# Allegro board BeagleBone_Black_RevB3_NO_LOGO.brd (continued)
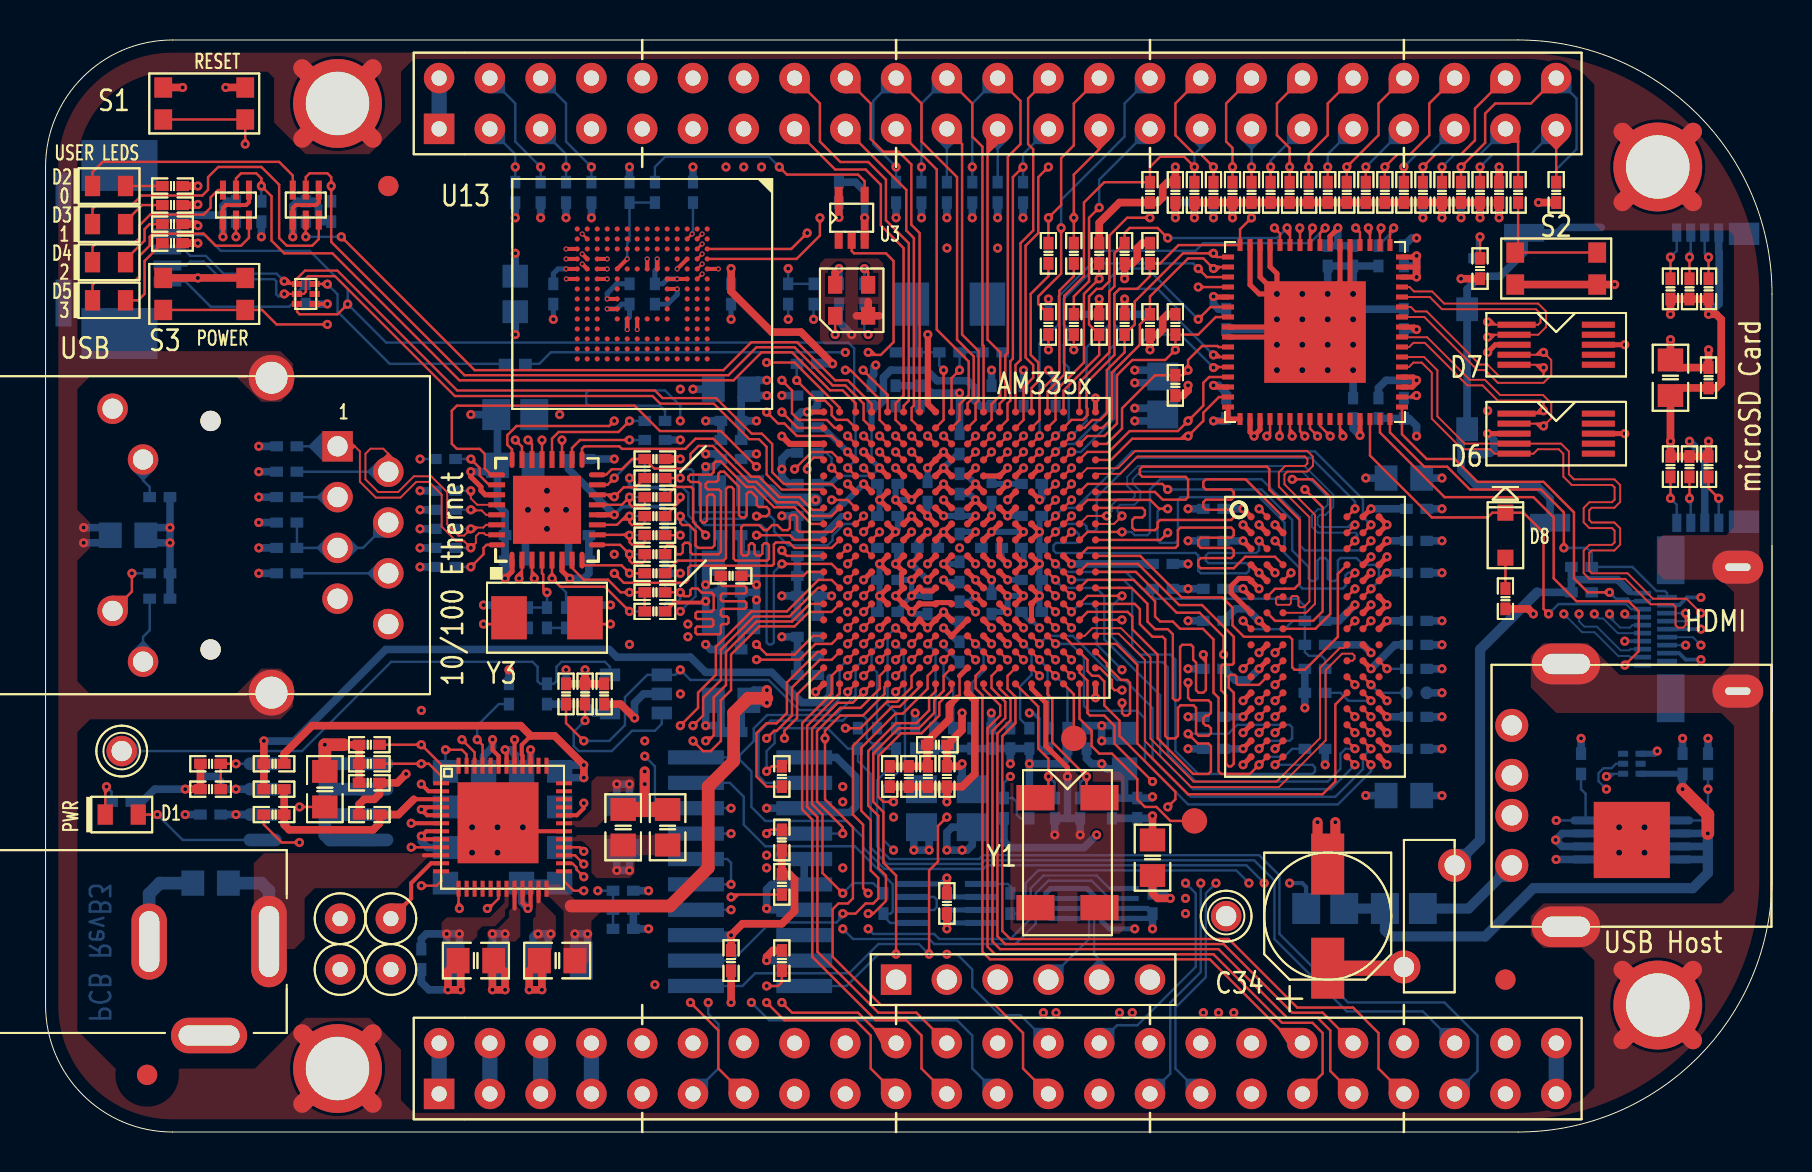
[diagram p0: board, top side]
## Routing (per net, layer and track width the routed paths; a pad name or vN(x,y) marks a point on that pad's centre or on a via; arc(x,y) is an arc through that point) (continued)
DDR_D11: length 20.2
  TOP w0.121: v1(51.32,30.01) U5.K3 ; v1(60.7,29.57) U12.C2
  BOTTOM w0.121: v1(51.32,30.01) 51.56,30.01 51.69,29.88 51.69,29.59 51.56,29.46 50.55,29.46 50.42,29.34 50.42,29.08 50.55,28.96 57.53,28.96 57.66,28.83 57.66,28.07 57.78,27.94 60.07,27.94 60.2,28.07 60.2,28.32 60.07,28.45 58.17,28.45 58.04,28.57 58.04,28.83 58.17,28.96 60.57,28.96 60.7,29.08 v1(60.7,29.57)
DDR_D12: length 20.2
  TOP w0.121: U5.K4 v1(50.52,30.01) ; v1(65.5,31.17) U12.A7
  BOTTOM w0.121: v1(50.52,30.01) 50.92,30.41 51.94,30.41 52.07,30.28 52.07,30.16 52.2,30.04 52.45,30.04 52.58,30.16 52.58,31.75 54.55,33.72 63.31,33.72 65.5,31.53 v1(65.5,31.17)
DDR_D13: length 20.2
  TOP w0.121: v1(51.32,30.81) U5.L3 ; v1(60.7,31.17) U12.A2
  LYR3 w0.133: v1(60.7,31.17) 60.71,31.17 60.71,32 60.17,32.54 53.21,32.54 53.09,32.41 53.09,32 53.21,31.88 55.5,31.88 55.63,31.75 55.63,30.1 55.5,29.97 54.48,29.97 54.36,30.1 54.36,31.11 54.23,31.24 52.07,31.24 51.64,30.81 v1(51.32,30.81)
DDR_D14: length 20.3
  TOP w0.121: v1(66.3,30.37) U12.B8 ; U5.L4 v1(50.52,30.81)
  BOTTOM w0.121: v1(50.52,30.81) 50.92,31.21 51.53,31.21 54.36,34.04 63.5,34.04 65.9,31.64 65.9,30.77 v1(66.3,30.37)
DDR_D15: length 20.1
  TOP w0.121: U5.M1 53.34,31.21 54.86,31.21 54.99,31.08 54.99,30.86 54.86,30.73 54.48,30.73 54.36,30.61 54.36,30.23 54.48,30.1 55.5,30.1 55.63,30.23 55.63,30.48 55.75,30.61 59.31,30.61 59.44,30.73 59.44,30.99 59.31,31.11 58.04,31.11 57.91,31.24 57.91,31.5 58.04,31.62 59.31,31.62 59.44,31.75 59.44,32 59.31,32.13 58.04,32.13 57.91,32.26 57.91,32.51 58.04,32.64 60.03,32.64 U12.A3
DDR_DQM0: length 23.3
  TOP w0.121: v1(56.13,31.17) 55.7,31.17 55.26,31.61 52.12,31.61 U5.M2 ; v1(65.5,27.97) U12.E7
  BOTTOM w0.121: v1(56.13,31.17) 55.75,31.17 55.63,31.04 55.63,29.59 55.75,29.46 56.52,29.46 56.64,29.59 56.64,31.62 56.77,31.75 60.71,31.75 61.98,30.48 61.98,28.96 62.74,28.19 62.74,27.3 62.87,27.18 64.9,27.18 65.02,27.3 65.02,27.84 65.15,27.97 v1(65.5,27.97)
DDR_DQM1: length 20.2
  TOP w0.121: U5.J2 52.12,29.21 56.52,29.21 56.64,29.34 56.64,30.1 56.77,30.23 59.31,30.23 59.44,30.1 59.44,29.84 59.31,29.72 57.78,29.72 57.66,29.59 57.66,29.34 57.78,29.21 59.31,29.21 59.44,29.08 59.44,28.83 59.31,28.7 57.78,28.7 57.66,28.57 57.66,28.32 57.78,28.19 59.44,28.19 60.01,28.76 61.5,28.76 U12.D3
DDR_DQS0: length 23.3
  TOP w0.095: U12.F3 61.62,26.77 61.54,26.69 61.54,26.44 61.62,26.37 62.22,26.37 62.29,26.44 62.29,26.73 62.37,26.8 62.6,26.8 62.67,26.73 62.67,26.32 62.75,26.24 62.93,26.24 63.22,26.53 63.22,30.75 61.69,32.28 61.69,32.99 62.01,33.31 62.99,33.31 63.12,33.43 63.12,33.66 62.99,33.78 54.62,33.78 53.76,32.91 52.62,32.91 U5.P1
DDR_DQS1: length 20.3
  TOP w0.095: v1(53.85,30.81) 53.45,30.41 U5.L1
  TOP w0.121: v1(65.5,29.57) U12.C7
  BOTTOM w0.095: v1(65.5,29.57) 65.54,29.57 65.61,29.64 65.61,29.9 65.54,29.97 63.64,29.97 63.35,30.26 63.35,30.85 63.64,31.14 63.91,31.14 64.14,31.37 64.14,31.75 62.86,33.03 54.76,33.03 54.38,32.65 54.38,32.42 54.76,32.04 54.76,31.66 54.47,31.37 53.75,31.37 53.62,31.24 53.62,31.04 v1(53.85,30.81)
DDR_DQSN0: length 23.3
  TOP w0.095: U5.P2 52.1,33.19 53.64,33.19 54.51,34.06 63.11,34.06 63.4,33.77 63.4,33.32 63.11,33.03 62.12,33.03 61.97,32.87 61.97,32.39 63.5,30.86 63.5,26.42 63.05,25.97 U12.G3
DDR_DQSN1: length 20.3
  TOP w0.095: U5.L2 52.12,30.81 v1(53.09,30.81)
  TOP w0.121: v1(65.5,30.37) U12.B7
  BOTTOM w0.095: v1(53.09,30.81) 53.34,31.06 53.34,31.36 53.63,31.65 54.36,31.65 54.48,31.78 54.48,31.93 54.1,32.31 54.1,32.77 54.64,33.31 62.97,33.31 64.41,31.87 64.41,31.25 64.02,30.86 63.75,30.86 63.63,30.73 63.63,30.38 63.75,30.25 65.39,30.25 v1(65.5,30.37)
DDR_ODT: length 24.1
  TOP w0.121: v1(59.9,23.16) U12.K1 ; U5.G1 53.68,27.21 54.32,27.21 55.12,26.42 55.12,25.53 55.5,25.15 56.13,25.15 56.39,24.89 56.39,21.7 56.49,21.59 56.64,21.59 56.75,21.7 56.75,24.26 56.86,24.37 57.3,24.37 57.4,24.26 57.4,23.62 57.55,23.48 57.55,22.1 57.68,21.97 57.91,21.97 58.04,22.1 58.04,23.75 v1(57.91,23.88)
  LYR3 w0.133: v1(59.9,23.16) 59.23,23.16 58.93,22.86 58.04,22.86 57.91,22.99 57.91,23.24 58.04,23.37 58.29,23.37 58.42,23.5 58.42,24.89 58.17,25.15 57.78,25.15 57.66,25.02 57.66,24.64 57.91,24.38 v1(57.91,23.88)
DDR_RASN: length 24
  TOP w0.121: U5.G4 v1(50.52,26.81) ; v1(61.5,23.96) U12.J3
  LYR3 w0.121: v1(50.52,26.81) 50.12,26.41 50.12,25.83 50.34,25.61 50.72,25.61 50.92,25.41 50.92,25.02 51.17,24.77 51.33,24.77
  LYR3 w0.133: v1(61.5,23.96) 62.12,23.96 62.51,23.58 62.69,23.58 62.84,23.72 62.84,23.9 62.1,24.64 61.59,24.64 61.35,24.4 59.42,24.4 57.77,26.05 56.5,26.05 54.99,27.56 53.47,27.56 53.34,27.43 53.34,26.53 53.47,26.4 54.24,26.4 54.74,25.91 54.74,25.27 54.23,24.77 51.33,24.77
DDR_RESETN: length 20.7
  TOP w0.121: U5.G2 52.12,27.61 54.43,27.61 55.5,26.54 55.5,25.78 55.75,25.53 56.39,25.53 56.75,25.16 57.89,25.16 58.42,24.64 58.42,21.97 58.67,21.72 58.67,18.03 58.8,17.91 60.24,17.91 v1(60.7,18.36) U12.T2
  BOTTOM w0.121: v1(60.7,18.36) U12.T2 61.96,18.76 62.36,19.16 R97.2
DDR_VREF: length 26.3
  TOP w0.121: v1(50.52,28.41) U5.J4 ; v1(66.3,21.56) U12.M8 ; v1(59.9,25.57) U12.H1
  BOTTOM w0.121: R98.2 C123.1 62.99,24 63.18,23.81 63.82,23.81 64.01,23.62 R100.1 C124.1 64.77,21.96 65.17,21.56 v1(66.3,21.56) ; R98.2 62.99,26.29 62.61,26.67 55.5,26.67 55.37,26.8 C28.1 54.88,27.17 54.03,28.01 50.92,28.01 v1(50.52,28.41) ; R98.2 62.4,25.57 61.98,25.15 60.32,25.15 v1(59.9,25.57)
DDR_VTP: length 4.6
  TOP w0.254: v1(51.32,28.41) U5.J3
  BOTTOM w0.381: v1(51.32,28.41) R22.2
DDR_WEN: length 23.9
  TOP w0.121: v1(55.37,17.53) 53.47,19.43 53.47,20.32 52.96,20.83 52.24,20.83 52.12,20.95 52.12,22.57 51.72,22.97 U5.B2 ; v1(61.5,22.36) U12.L3
  LYR3 w0.133: v1(61.5,22.36) 61.87,22.73 62.48,22.73 63.5,21.72 63.5,20.95 63.12,20.57 63.12,17.27 62.23,16.38 56.77,16.38 55.63,17.52 55.38,17.52 v1(55.37,17.53)
DVI_+5V: length 22.2
  BOTTOM w0.203: 79.21,27.05 79.31,26.95 P6.19
  BOTTOM w0.381: 79.21,27.05 78.64,27.62 76.33,27.62 ; 74.61,26.99 R146.1 76.33,27.62 ; 76.33,27.62 R147.1
  BOTTOM w0.508: 74.61,26.99 71.75,24.13 71.75,14.61 RT1.2
EHRPWM1A: length 41.9
  TOP w0.121: v1(40.01,38.1) 40.26,38.1 41.72,36.64 41.72,35.61 U5.U14
  LYR4 w0.133: v1(40.01,38.1) 39.75,37.85 38.73,37.85 37.34,36.45 37.34,35.81 37.12,35.6 36.23,35.6 34.8,34.16 34.8,23.27 34.54,23.02 34.54,17.27 33.55,16.28 33.55,5.82 P9.14
EHRPWM1B: length 37.1
  TOP w0.121: v1(41.72,34.81) U5.T14
  LYR4 w0.133: P9.16 37.47,8.89 35.56,10.79 35.56,18.41 36.49,19.34 36.49,24.35 36.32,24.51 36.32,33.27 36.6,33.55 38,33.55 39.75,35.31 41.22,35.31 v1(41.72,34.81)
EHRPWM2A: length 16.8
  TOP w0.121: U5.U10 45.72,35.61 45.72,36.39 46.18,36.85 46.18,38.53 44.58,40.13 44.58,48.13 P8.19
EHRPWM2B: length 27.5
  TOP w0.121: v1(44.92,34.81) U5.T10
  LYR3 w0.133: P8.13 32,47.24 32,44.32 32.26,44.07 32.26,42.42 32.64,42.04 41.27,42.04 42.8,40.51 42.8,39.37 43.43,38.73 43.43,36.58 44.92,35.09 v1(44.92,34.81)
EMMC_RSTN: length 4.8
  TOP w0.203: U13.K5 v2(29.09,43.66)
  BOTTOM w0.121: R162.2 R111.2 29.21,44.57 29.09,44.45 v2(29.09,43.66)
EMMC_VCCI: length 1.9
  TOP w0.121: U13.C2 v2(32.35,44.91)
  BOTTOM w0.121: v2(32.35,44.91) 32.38,44.95 C125.1
ENZ_KALDO_1P8V: length 3.4
  TOP w0.121: U5.B4 v1(50.52,22.81)
  BOTTOM w0.121: R54.2 51.12,22.21 v1(50.52,22.81)
ETH_TXD4: length 4.4
  TOP w0.121: U14.18 26.33,34.21 26.73,34.61 v1(29.21,34.61)
  BOTTOM w0.121: R145.1 v1(29.21,34.61)
GPIO0_7: length 48
  TOP w0.121: R50.1 36.32,18.29 v1(36.07,18.03)
  BOTTOM w0.121: v1(36.07,18.03) 36.07,19.05 36.47,19.45 36.47,19.96 36.7,20.19 39.12,20.19 40.13,19.18 R51.1 40.64,18.54 41.27,17.91 41.27,14.22 42.09,13.4 46.81,13.4 46.99,13.59 60.45,13.59 61.47,12.57 61.47,9.65 65.09,6.03 68.9,6.03 P9.42
GPIO0_7SRC: length 9.6
  TOP w0.121: U5.C18 38.62,24.01 37.08,22.48 37.08,20.95 36.57,20.44 36.06,20.44 35.56,19.94 35.56,17.78 36.07,17.27 R50.2
GPIO0_26: length 30.4
  TOP w0.121: v1(44.12,34.81) U5.T11
  LYR3 w0.133: P8.14 33.66,51.44 33.66,49.91 32.64,48.9 32.13,48.9 31.62,48.39 31.62,44.2 32,43.81 32,42.16 32.38,41.78 41.02,41.78 42.42,40.39 42.42,39.12 43.05,38.48 43.05,36.45 44.12,35.38 v1(44.12,34.81)
GPIO0_27: length 16.6
  TOP w0.121: U5.U12 43.32,35.61 43.32,36.21 43.43,36.32 43.43,44.7 43.05,45.09 43.05,47.12 P8.17
GPIO1_12: length 29.8
  TOP w0.121: v1(43.32,34.81) U5.T12
  LYR3 w0.133: v1(43.32,34.81) 43.32,35.17 41.66,36.83 41.66,37.82 41.7,37.82 41.94,38.06 41.94,38.52 41.66,38.8 41.66,40.13 40.64,41.15 31.5,41.15 30.99,41.66 30.99,51.31 P8.12
GPIO1_13: length 27.9
  TOP w0.121: v1(43.32,34.01) U5.R12
  LYR3 w0.121: 43.72,35.27 43.72,34.41 v1(43.32,34.01)
  LYR3 w0.133: P8.11 31.27,49.05 31.27,41.89 31.62,41.53 40.77,41.53 42.07,40.23 42.07,38.72 42.17,38.62 42.17,37.96 42.07,37.86 42.07,36.92 43.72,35.27
GPIO1_14: length 20
  TOP w0.121: P8.16 38.73,51.44 38.73,49.53 39.76,48.51 41.15,48.51 42.04,47.62 42.04,45.59 43.18,44.45 43.18,36.58 42.92,36.32 U5.V13
GPIO1_15: length 18.4
  TOP w0.121: U5.U13 42.52,35.61 42.52,36.43 42.92,36.83 42.92,44.2 41.78,45.34 41.78,47.37 41.02,48.13 39.5,48.13 P8.15
GPIO1_16: length 51.3
  LYR4 w0.133: v1(37.15,43.18) 36.2,42.23 36.2,39.75 33.53,37.08 33.53,24.26 31.88,22.61 31.62,22.61 31.24,22.23 31.24,19.68 31.75,19.18 31.75,7.37 31.24,6.86 31.24,4.06 32.26,3.05 36.32,3.05 P9.15
  BOTTOM w0.121: R160.2 R161.2 v1(37.15,43.18)
GPIO1_17: length 53.5
  TOP w0.121: v1(40.89,38.1) 42.12,36.87 U5.V14
  LYR4 w0.133: v1(35.31,6.48) 34.92,6.86 34.92,7.29 34.8,7.41 34.8,22.94 35.05,23.19 35.05,34.04 36.38,35.36 37.27,35.36 37.59,35.69 37.59,36.2 38.99,37.59 40.39,37.59 v1(40.89,38.1)
  BOTTOM w0.121: v1(35.31,6.48) 36.2,5.59 45.59,5.59 46.35,4.83 46.35,3.17 P9.23
GPIO1_28: length 37.4
  TOP w0.121: v1(36.83,36) 37.62,35.21 U5.U18
  LYR4 w0.133: v1(36.83,36) 36.42,36.41 35.14,36.41 34.29,35.56 34.29,23.5 34.04,23.24 34.04,17.78 32.66,16.41 32.66,5.87 32.38,5.59 P9.12
GPIO1_29: length 17.6
  TOP w0.121: U5.V6 48.52,38.36 48.77,38.61 48.77,44.45 49.4,45.09 49.4,49.15 49.15,49.4 49.15,51.69 P8.26
GPIO2_1: length 18.7
  TOP w0.121: P8.18 41.27,51.44 41.27,49.66 41.91,49.02 42.67,49.02 43.31,48.39 43.31,45.37 43.72,44.96 U5.V12
GPIO3_18: length 5.9
  TOP w0.121: U5.B12 43.32,22.81 43.32,22.23 42.6,21.52 42.09,21.52 40.77,20.19 v1(40.01,20.19)
  BOTTOM w0.121: v1(40.01,20.19) R51.2
GPIO3_19: length 28.5
  TOP w0.121: v1(42.52,23.61) U5.C13
  LYR4 w0.133: v1(42.52,23.61) 41.85,22.94 41.85,21.52 43.31,20.07 43.31,14.99 42.93,14.61 42.93,13.84 48.77,8 48.77,3.81 49.53,3.05 51.56,3.05 P9.27
GPIO3_20: length 5.9
  TOP w0.121: U5.D13 v1(42.52,25.21)
  BOTTOM w0.121: R20.2 42.55,20.95 42.12,21.38 42.12,24.81 v1(42.52,25.21)
GPIO3_21: length 66.1
  TOP w0.121: P9.25 48.9,3.17 48.9,4.95 47.5,6.35 41.78,6.35 39.37,8.76 39.37,11.14 39.66,11.43 40.13,11.43 40.39,11.68 40.39,15.24 38.99,16.64 v1(38.99,19.68) 38.99,20.07 39.75,20.83 40.89,20.83 41.97,21.9 41.97,22.26 U5.A14
  LYR3 w0.133: v1(38.99,19.68) 38.28,20.4 35.1,20.4 33.59,21.91 v1(31.76,21.91)
  LYR4 w0.133: v1(31.76,21.91) 33.78,23.93 33.78,36.83 37.08,40.13 38.86,40.13 39.12,40.39 40.64,40.39 v1(41.15,39.88)
  BOTTOM w0.121: v1(41.15,39.88) 40.96,40.07 R167.2
GRN_C: length 2
  BOTTOM w0.121: P5.10 4.88,32.59 5.21,32.26 R132.2
GRNA: length 32.3
  TOP w0.121: v1(24.45,27.69) 24.33,27.8 U14.3
  LYR3 w0.133: v1(24.45,27.69) 23.56,28.57 22.48,28.57 21.59,27.69 20.95,27.69 17.65,24.38 14.73,24.38 12.19,26.92 7.11,26.92 3.35,30.68 P5.9
HDMI_1V8: length 22.4
  TOP w0.254: v1(64.64,45.21) 64.64,45.19 64.25,44.79 U11.55 ; U11.46 v1(68.58,42.76) ; v1(68.58,43.81) 68.52,43.76 U11.48 ; U11.14 58.5,37.25 v1(58.42,37.34) ; v1(65.75,34.83) U11.29 ; v1(58.42,41.78) 58.45,41.76 U11.5 ; U11.47 68.58,43.25 ; v1(68.58,40.13) 68.46,40.25 U11.41 ; U11.36 68.42,37.76 v1(68.58,37.59) 68.58,37.47 68.37,37.25 U11.35
  TOP w0.381: v1(68.58,42.76) v1(68.58,43.81)
  BOTTOM w0.381: C146.1 64.64,44.32 ; 64.64,44.32 C148.1 ; 64.64,44.32 v1(64.64,45.21) ; v1(58.42,37.34) 58.67,37.34 59.05,36.96 C145.1 ; v1(54.48,37.47) 55.57,37.47 FB5.1 55.56,38.1 v1(54.48,38.1) ; v1(68.58,42.76) 68.58,43.31 ; 68.58,43.31 67.94,43.31 ; 68.58,43.31 v1(68.58,43.81) ; C151.1 66.67,37.21 67.06,37.59 v1(68.58,37.59) ; C147.1 65.41,35.18 v1(65.75,34.83) ; C150.1 v1(68.58,40.13) ; C144.1 58.67,41.15 58.42,41.4 v1(58.42,41.78)
HDMI_CEC: length 21.5
  TOP w0.121: v1(75.18,25.91) 74.93,26.16 74.93,29.97 73.93,30.97 D8.1 72.37,30.97 72.14,30.73 69.34,30.73 66.25,33.83 U11.30
  BOTTOM w0.121: v1(75.18,25.91) 75.68,26.4 79.07,26.4 79.32,26.15 P6.15
HDMI_CEC_D: length 1.5
  TOP w0.121: R166.1 D8.2
HDMI_DSCL: length 19.7
  TOP w0.121: v1(78.23,26.99) 77.15,26.99 76.45,27.69 76.45,30.99 74.93,32.51 71.63,32.51 70.48,33.66 69.09,33.66 67.85,34.89 U11.33
  BOTTOM w0.121: 77.34,26.99 v1(78.23,26.99) 78.55,26.67 79.15,26.67 79.27,26.55 P6.17
HDMI_DSDA: length 19.5
  TOP w0.121: U11.32 67.25,34.98 68.96,33.27 70.1,33.27 71.25,32.13 74.8,32.13 75.95,30.99 v1(75.95,29.21)
  BOTTOM w0.121: P6.18 81.11,26.95 81.01,27.05 80.59,27.05 79.38,28.26 77.34,28.26 77.34,28.96 77.09,29.21 v1(75.95,29.21)
HDMI_HPD: length 23
  TOP w0.121: U11.31 66.75,34.98 69.98,31.75 74.42,31.75 75.44,30.73 75.44,27.69 76.58,26.54 79.18,26.54 79.69,26.04 79.69,24.04 v1(78.99,23.35)
  BOTTOM w0.121: P6.1 v1(78.99,23.35)
HDMI_INT: length 40.8
  TOP w0.121: v1(66.8,45.21) 66.75,45.16 U11.50 ; U5.U16 40.12,35.61 39.56,35.61 39.32,35.85 39.32,36.24 38.99,36.58 38.58,36.58 v1(37.57,37.58)
  LYR4 w0.133: v1(37.57,37.58) 39.46,39.47 42.01,39.47 46.99,44.45 46.99,45.85 48.39,47.24 64.77,47.24 v1(66.8,45.21)
  BOTTOM w0.121: v1(37.57,37.58) 37.57,38.4 R158.2
HDMI_SWING: length 1.4
  TOP w0.121: v1(68.58,36.83) 68.51,36.76 U11.34
  BOTTOM w0.121: R148.1 68.45,36.7 v1(68.58,36.83)
HDMI_TX0+: length 32
  TOP w0.095: U11.40 67.86,39.74 69.11,39.74 71.24,37.62 72,37.62 72.76,36.86 74.9,36.86 75.32,36.44 75.32,35.69 v1(74.93,35.31) 74.81,35.43 D6.2
  LYR4 w0.102: v1(77.47,25.91) 77.47,26.24 77.09,26.62 77.09,27.86 77.72,28.5 78.49,28.5 78.61,28.63 78.61,28.83 78.49,28.96 77.34,28.96 77.04,29.26 77.04,29.72 77.34,30.02 78.49,30.02 78.61,30.15 78.61,30.35 78.49,30.48 77.34,30.48 77.04,30.79 77.04,31.24 77.34,31.55 78.49,31.55 78.61,31.67 78.61,31.83 75.14,35.31 v1(74.93,35.31)
  BOTTOM w0.095: P6.9 78.65,24.95 77.91,25.68 77.7,25.68 v1(77.47,25.91)
HDMI_TX0-: length 32.1
  TOP w0.095: D6.1 74.79,35.92 v1(74.93,36.07) 74.93,36.43 74.79,36.58 72.64,36.58 71.88,37.34 71.12,37.34 68.99,39.47 68.42,39.47 68.21,39.25 U11.39
  LYR4 w0.102: v1(78.23,25.91) 77.39,26.75 77.39,27.74 77.85,28.19 78.61,28.19 78.92,28.5 78.92,28.96 78.61,29.26 77.47,29.26 77.34,29.39 77.34,29.59 77.47,29.72 78.61,29.72 78.92,30.02 78.92,30.48 78.61,30.78 77.47,30.78 77.34,30.91 77.34,31.11 77.47,31.24 78.62,31.24 78.92,31.54 78.92,31.96 75.32,35.56 75.32,36.54 75.21,36.65 75.04,36.65 74.93,36.54 v1(74.93,36.07)
  BOTTOM w0.095: v1(78.23,25.91) 78.22,25.9 78.22,25.76 78.76,25.23 79.25,25.23 79.38,25.35 P6.11
HDMI_TX1+: length 32.1
  TOP w0.095: U11.43 68.3,41.25 68.52,41.03 69.09,41.03 71.74,38.38 72.12,38.38 72.76,37.74 74.81,37.74 74.93,37.86 v1(74.93,38.23) 74.79,38.37 D7.5
  LYR4 w0.102: v1(74.93,38.23) 74.93,37.19 75.03,37.08 75.21,37.08 75.31,37.19 75.31,38.56 75.44,38.68 75.74,38.68 76.71,37.72 76.71,35.38 79.71,32.39 79.71,27.23 82.32,24.61 82.32,24.45 82.22,24.35 v1(82.04,24.35)
  BOTTOM w0.095: P6.6 v1(82.04,24.35)
HDMI_TX1-: length 32.1
  TOP w0.095: D7.4 74.81,38.87 v1(74.93,38.99) 75.32,38.6 75.32,37.85 74.93,37.47 72.64,37.47 72.01,38.1 71.63,38.1 68.97,40.76 U11.42
  LYR4 w0.102: v1(74.93,38.99) 75.87,38.99 77.01,37.85 77.01,35.51 80.01,32.51 80.01,27.36 82.8,24.56 v1(82.8,24.35)
  BOTTOM w0.095: P6.8 82.4,24.75 v1(82.8,24.35)
HDMI_TX2+: length 32.1
  TOP w0.095: v1(72.14,39.75) 72.26,39.87 D7.2 74.67,39.87 75.06,40.26 75.06,41.04 74.66,41.43 69.97,41.43 69.36,42.03 68.45,42.03 68.23,42.25 U11.45
  LYR4 w0.102: v1(75.95,25.91) 76.17,26.14 76.17,27.33 75.13,28.37 75.13,33.66 74.04,34.75 74.04,37.85 v1(72.14,39.75)
  BOTTOM w0.095: v1(75.95,25.91) 76.86,24.99 77.48,24.99 78.67,23.81 79.22,23.81 79.28,23.75 P6.3
HDMI_TX2-: length 32.1
  TOP w0.095: v1(72.14,40.51) 72.28,40.37 D7.1 74.66,40.37 74.78,40.49 74.78,40.92 74.55,41.15 69.85,41.15 69.24,41.76 U11.44
  LYR4 w0.102: v1(76.71,25.91) 76.48,26.14 76.48,27.46 75.44,28.5 75.44,33.78 74.35,34.87 74.35,37.97 72.64,39.67 72.64,40.79 72.54,40.89 72.24,40.89 72.14,40.79 v1(72.14,40.51)
  BOTTOM w0.095: v1(76.71,25.91) 76.71,25.54 76.98,25.27 77.6,25.27 78.78,24.09 79.22,24.09 79.28,24.15 P6.5
HDMI_TXC+: length 32.1
  TOP w0.095: v1(82.8,25.95) 82.08,26.67 80.41,26.67 79.14,27.94 77.34,27.94 77.22,28.07 77.22,28.96 77.34,29.08 78.47,29.08 78.77,29.37 78.77,30.19 78.47,30.48 77.34,30.48 77.22,30.61 77.22,31.09 77.34,31.22 78.47,31.22 78.77,31.51 78.77,32.35 78.47,32.64 76.45,32.64 76.2,32.89 76.2,34.03 75.81,34.42 D6.4 70.99,34.42 69.62,35.79 69.62,38.09 68.96,38.76 U11.38
  BOTTOM w0.095: v1(82.8,25.95) 82.4,25.55 P6.12
HDMI_TXC-: length 32.1
  TOP w0.095: U11.37 68.2,38.25 68.42,38.48 68.84,38.48 69.34,37.97 69.34,35.67 70.87,34.15 72.26,34.15 72.48,33.93 D6.5 74.43,33.93 74.65,34.15 75.69,34.15 75.92,33.92 75.92,32.78 76.34,32.36 78.36,32.36 78.49,32.23 78.49,31.62 78.36,31.5 77.23,31.5 76.94,31.21 76.94,30.49 77.23,30.2 78.36,30.2 78.49,30.07 78.49,29.49 78.36,29.36 77.23,29.36 76.94,29.07 76.94,27.95 77.23,27.66 79.02,27.66 80.29,26.39 81.41,26.39 81.53,26.26 81.53,25.35 81.66,25.22 81.92,25.22 82.04,25.35 v1(82.04,25.95)
  BOTTOM w0.095: P6.14 v1(82.04,25.95)
HDMICLK_DISN: length 9.7
  TOP w0.121: U5.V17 39.72,36.23 37.47,38.48 v1(36.07,38.48) ; Y4.1 v1(39.5,39.88)
  LYR4 w0.133: v1(39.5,39.88) 37.47,39.88 v1(36.07,38.48)
I2C0_SCL: length 83.5
  TOP w0.121: v1(26.92,19.56) 26.04,20.45 R3.2 ; U2.28 26.72,14.24 v1(26.92,14.03) ; U11.52 65.75,44.99 v1(65.53,45.21) ; v1(40.12,23.61) U5.C16
  LYR3 w0.133: v1(47.62,44.2) v1(45.09,44.2)
  LYR4 w0.133: v1(31.75,23.11) 32.61,23.98 32.61,36.68 35.81,39.88 35.81,42.67 37.34,44.2 v1(45.09,44.2) ; v1(47.62,44.2) 48.26,44.84 48.26,45.97 49.28,46.99 64.26,46.99 65.53,45.72 v1(65.53,45.21) ; v1(26.92,14.03) 27.56,14.67 27.56,18.92 v1(26.92,19.56)
  BOTTOM w0.121: v1(26.92,19.56) 28.19,19.56 28.98,20.34 28.98,21.74 30.1,22.86 U7.1 31.5,22.86 v1(31.75,23.11) 32.26,22.61 36.17,22.61 37.67,21.1 39.14,21.1 39.72,21.69 39.72,23.21 v1(40.12,23.61)
I2C0_SDA: length 86.2
  TOP w0.121: U5.C17 39.32,23.61 38.72,23.61 37.34,22.23 37.34,20.83 36.58,20.07 36.45,20.07 v1(36.07,19.68) ; U11.51 66.25,45.13 v1(66.17,45.21) ; v1(26.92,13.4) 26.48,13.84 U2.27 ; R4.2 v1(26.99,20.57)
  LYR3 w0.133: v1(26.99,20.57) 27.62,21.21 33.27,21.21 34.8,19.68 v1(36.07,19.68)
  LYR4 w0.133: v1(26.92,13.4) 27.81,14.29 27.81,19.75 v1(26.99,20.57) ; v1(66.17,45.21) 65.76,44.81 65.3,44.81 65.13,44.98 65.13,45.49 63.88,46.74 50.29,46.74 49.4,45.85 49.4,44.32 40.89,35.81 39.62,35.81 37.72,33.91 36.45,33.91 36.07,33.53 36.07,24.38 36.2,24.25 36.2,22.87 35.56,22.23 35.56,20.19 v1(36.07,19.68)
  BOTTOM w0.121: v1(26.99,20.57) 26.42,20 26.42,19.3 26.67,19.05 28.32,19.05 29.34,20.07 30.48,20.07 30.82,20.41 U7.3
I2C1_SCL: length 22.2
  TOP w0.121: U5.A16 v1(40.12,22.01)
  LYR4 w0.133: P9.17 41.27,3.17 41.27,8.76 41.91,9.4 41.91,12.83 41.4,13.34 41.4,20.32 40.12,21.6 v1(40.12,22.01)
I2C1_SDA: length 20.6
  TOP w0.121: U5.B16 v1(40.12,22.81)
  LYR4 w0.133: v1(40.12,22.81) 39.71,22.4 39.71,21.5 41.15,20.07 41.15,13.08 41.66,12.57 41.66,9.65 41.02,9.02 41.02,5.46 P9.18
I2C2_SCL: length 31.8
  TOP w0.121: v1(36.07,6.48) 36.96,5.59 40.51,5.59 41.27,4.83 41.27,3.17 P9.19 ; v1(35.56,23.62) 37.72,23.62 38.51,24.41 39.32,24.41 U5.D17
  LYR4 w0.133: v1(35.56,23.62) 35.56,22.99 35.05,22.48 35.05,7.49 v1(36.07,6.48)
I2C2_SDA: length 29.5
  TOP w0.121: v1(35.56,24.38) 36.07,23.88 37.47,23.88 38.4,24.81 U5.D18 ; P9.20 42.16,4.45 40.64,5.97 37.34,5.97 v1(36.83,6.48)
  LYR4 w0.133: v1(35.56,24.38) 35.97,23.98 35.97,23.01 35.31,22.35 35.31,10.54 36.83,9.02 v1(36.83,6.48)
JTAG_EMU0: length 25.6
  TOP w0.121: v1(41.72,23.61) U5.C14 ; R23.2 34.42,11.87 v1(34.29,11.75)
  LYR3 w0.133: v1(34.29,14.92) 34.86,15.49 38.35,15.49 38.61,15.75 v1(42.42,15.75)
  LYR4 w0.133: v1(34.29,11.75) 33.88,12.15 33.88,14.52 v1(34.29,14.92) ; v1(41.72,23.61) 41.59,23.48 41.59,21.4 42.93,20.07 42.93,16.26 v1(42.42,15.75)
  BOTTOM w0.121: P2.13 v1(34.29,14.92)
JTAG_EMU1: length 15.5
  TOP w0.121: v1(36.07,14.92) 36.26,15.11 R24.2 ; U5.B14 41.72,22.81 41.72,22.16 40.77,21.21 39.75,21.21 38.59,20.05 38.59,16.53 39.88,15.24 v1(39.88,14.92)
  BOTTOM w0.121: v1(39.88,14.92) P2.14 v1(36.07,14.92)
JTAG_TCK: length 24.5
  TOP w0.121: v1(41.15,11.94) 40.89,12.19 40.89,15.37 40.39,15.88 40.39,19.3 42.35,21.27 42.73,21.27 43.4,21.94 43.4,21.94 43.72,22.26 U5.A12
  LYR3 w0.133: v1(41.15,11.94) 40.64,11.43 36.83,11.43 36.32,11.94 34.73,11.94 v1(34.29,12.38)
  BOTTOM w0.121: P2.11 34.1,13.65 34.29,13.46 v1(34.29,12.38) P2.9
JTAG_TDI: length 24.1
  TOP w0.121: v1(39.88,10.92) 40.51,10.92 41.02,11.43 41.4,11.43 41.66,11.68 41.66,12.7 41.27,13.08 41.27,15.59 40.8,16.06 40.8,19.21 42.51,20.92 42.87,20.92 44.12,22.17 44.12,22.81 U5.B11
  BOTTOM w0.121: v1(39.88,10.92) 39.88,10.79 39.56,10.48 36.26,10.48 34.35,8.57 P2.3
JTAG_TDO: length 24.3
  TOP w0.121: U5.A11 44.52,22.04 44.2,21.72 44.2,21.08 43.56,20.45 42.54,20.45 42.54,20.44 41.15,19.05 41.15,16.32 41.66,15.81 41.66,13.21 42.04,12.83 42.04,11.56 41.4,10.92 v1(41.15,10.92)
  LYR3 w0.133: v1(34.29,11.11) 34.86,11.11 36.32,9.65 40.13,9.65 40.64,10.16 40.64,10.41 v1(41.15,10.92)
  BOTTOM w0.121: P2.7 v1(34.29,11.11)
JTAG_TMS: length 29.2
  TOP w0.121: v1(44.2,8.89) 44.2,13.08 44.64,13.53 44.64,15.3 v1(45.09,15.75) ; U5.C11 v1(44.12,23.61)
  LYR4 w0.133: v1(44.12,23.61) 45.09,22.64 45.09,19.68 44.58,19.18 44.58,16.26 v1(45.09,15.75)
  BOTTOM w0.121: P2.1 34.86,7.3 35.5,7.94 40.2,7.94 41.66,9.4 43.69,9.4 v1(44.2,8.89)
JTAG_TRSTN: length 25.6
  TOP w0.121: U5.B10 44.92,22.81 44.92,22.06 44.45,21.59 44.45,20.95 43.69,20.19 42.67,20.19 41.4,18.92 41.4,16.51 41.91,16 41.91,13.46 42.55,12.83 v1(42.55,8.89) ; R25.1 36.83,7.49 36.64,7.3 v1(36.07,7.3)
  BOTTOM w0.121: v1(36.07,7.3) P2.2 40.07,7.3 41.66,8.89 v1(42.55,8.89)
LCD_DATA0: length 41
  TOP w0.121: C173.1 P8.45 ; U11.15 58.7,36.76 57.91,35.97 57.91,35.56 v1(57.15,34.8) 57.02,34.67 54.36,34.67 53.3,33.61 U5.R1 ; R95.1 v1(71.75,48.26)
  LYR3 w0.133: v1(57.15,34.8) 57.91,35.56 57.91,35.81 58.29,36.2 66.04,36.2 71.25,41.4 71.25,47.12 71.75,47.62 v1(71.75,48.26)
  BOTTOM w0.121: R95.1 v1(71.75,48.26) 72.39,48.9 74.3,48.9 P8.45
LCD_DATA1: length 47.7
  TOP w0.121: R94.1 v1(70.8,48.26) 72.01,49.47 72.01,50.93 72.52,51.44 74.3,51.44 P8.46 ; U11.13 58.2,37.76 57.91,37.47 57.91,36.32 v1(57.15,35.56) 56.64,35.05 54.23,35.05 53.19,34.01 52.11,34.01 51.72,33.62 U5.R2
  LYR3 w0.133: v1(57.15,35.56) 58.17,36.58 65.79,36.58 70.36,41.15 70.36,47.12 70.8,47.56 v1(70.8,48.26)
  BOTTOM w0.121: C171.1 75.56,48.13 76.58,49.15 76.58,51.69 P8.46 ; v1(70.8,48.26) R94.1
LCD_DATA2: length 40.3
  TOP w0.121: U11.12 58.45,38.25 v1(58.42,38.23) ; R93.1 v1(69.85,48.26) ; v1(51.32,34.01) U5.R3 ; P8.43 73.66,49.53 R75.1
  LYR3 w0.133: v1(58.42,38.23) 58.93,38.73 66.04,38.73 69.34,42.04 69.34,47.12 69.85,47.62 v1(69.85,48.26)
  BOTTOM w0.121: P8.43 71.75,48.9 70.48,48.9 v1(69.85,48.26) R93.1 ; v1(51.32,34.01) 51.79,34.01 53.47,35.69 53.47,38.1 C172.1 56.77,39.88 v1(58.42,38.23)
LCD_DATA3: length 44.9
  TOP w0.121: v1(58.42,38.86) 58.53,38.76 U11.11 ; P8.44 71.5,51.18 71.5,49.59 70.8,48.9 69.53,48.9 v1(68.9,48.26) R92.1 ; v1(50.52,34.01) U5.R4
  LYR3 w0.133: v1(58.42,38.86) 59.56,40.01 66.67,40.01 69.09,42.42 69.09,44.83 68.33,45.59 68.33,46.74 68.9,47.31 v1(68.9,48.26)
  BOTTOM w0.121: v1(58.42,38.86) 56.64,40.64 56.64,41.15 55.63,42.16 53.72,42.16 53.47,41.91 53.47,40.39 C170.1 53.21,39.12 53.21,36.14 51.49,34.41 50.92,34.41 v1(50.52,34.01) ; v1(68.9,48.26) R92.1
LCD_DATA4: length 32
  TOP w0.121: U11.10 58.67,39.25 58.62,39.31 57.85,39.31 57.15,38.61 v1(57.15,38.1) 56.9,37.85 C169.1 55.5,37.85 53.85,36.2 53.85,35.18 53.08,34.41 U5.T1 ; R91.1 v1(67.94,48.26)
  LYR3 w0.133: v1(57.15,38.1) 57.15,38.35 61.21,42.42 66.04,42.42 68.08,44.46 68.08,47.62 67.94,47.76 v1(67.94,48.26)
  BOTTOM w0.121: P8.41 69.22,48.9 68.58,48.9 v1(67.94,48.26) R91.1
LCD_DATA5: length 37.2
  TOP w0.121: P8.42 69.22,51.44 69.22,49.85 68.26,48.9 67.63,48.9 v1(66.99,48.26) R90.1 ; U5.T2 52.12,34.81 52.97,34.81 53.59,35.43 53.59,37.85 54.36,38.61 56.01,38.61 v1(56.52,39.12) C163.1 57.66,39.88 58.54,40.76 U11.7
  LYR3 w0.133: v1(66.99,48.26) 66.99,47.82 67.84,46.96 67.84,44.73 66.04,42.93 61.21,42.93 57.4,39.12 v1(56.52,39.12)
  BOTTOM w0.121: v1(66.99,48.26) R90.1
LCD_DATA6: length 34.1
  TOP w0.121: v1(57.66,40.64) 58.27,41.25 U11.6 ; R89.1 v1(66.04,48.26) ; v1(51.32,34.81) U5.T3
  LYR3 w0.133: v1(66.04,48.26) 65.09,47.31 65.09,44.39 63.88,43.18 60.96,43.18 58.42,40.64 v1(57.66,40.64)
  BOTTOM w0.121: P8.39 v1(66.04,48.26) R89.1 ; v1(51.32,34.81) 52.07,35.56 52.07,39.24 C162.1 53.21,40.39 53.21,42.67 53.72,43.18 55.12,43.18 v1(57.66,40.64)